# Altium PCB PYCO_PCB_VER01_REVA.PcbDoc (continued)
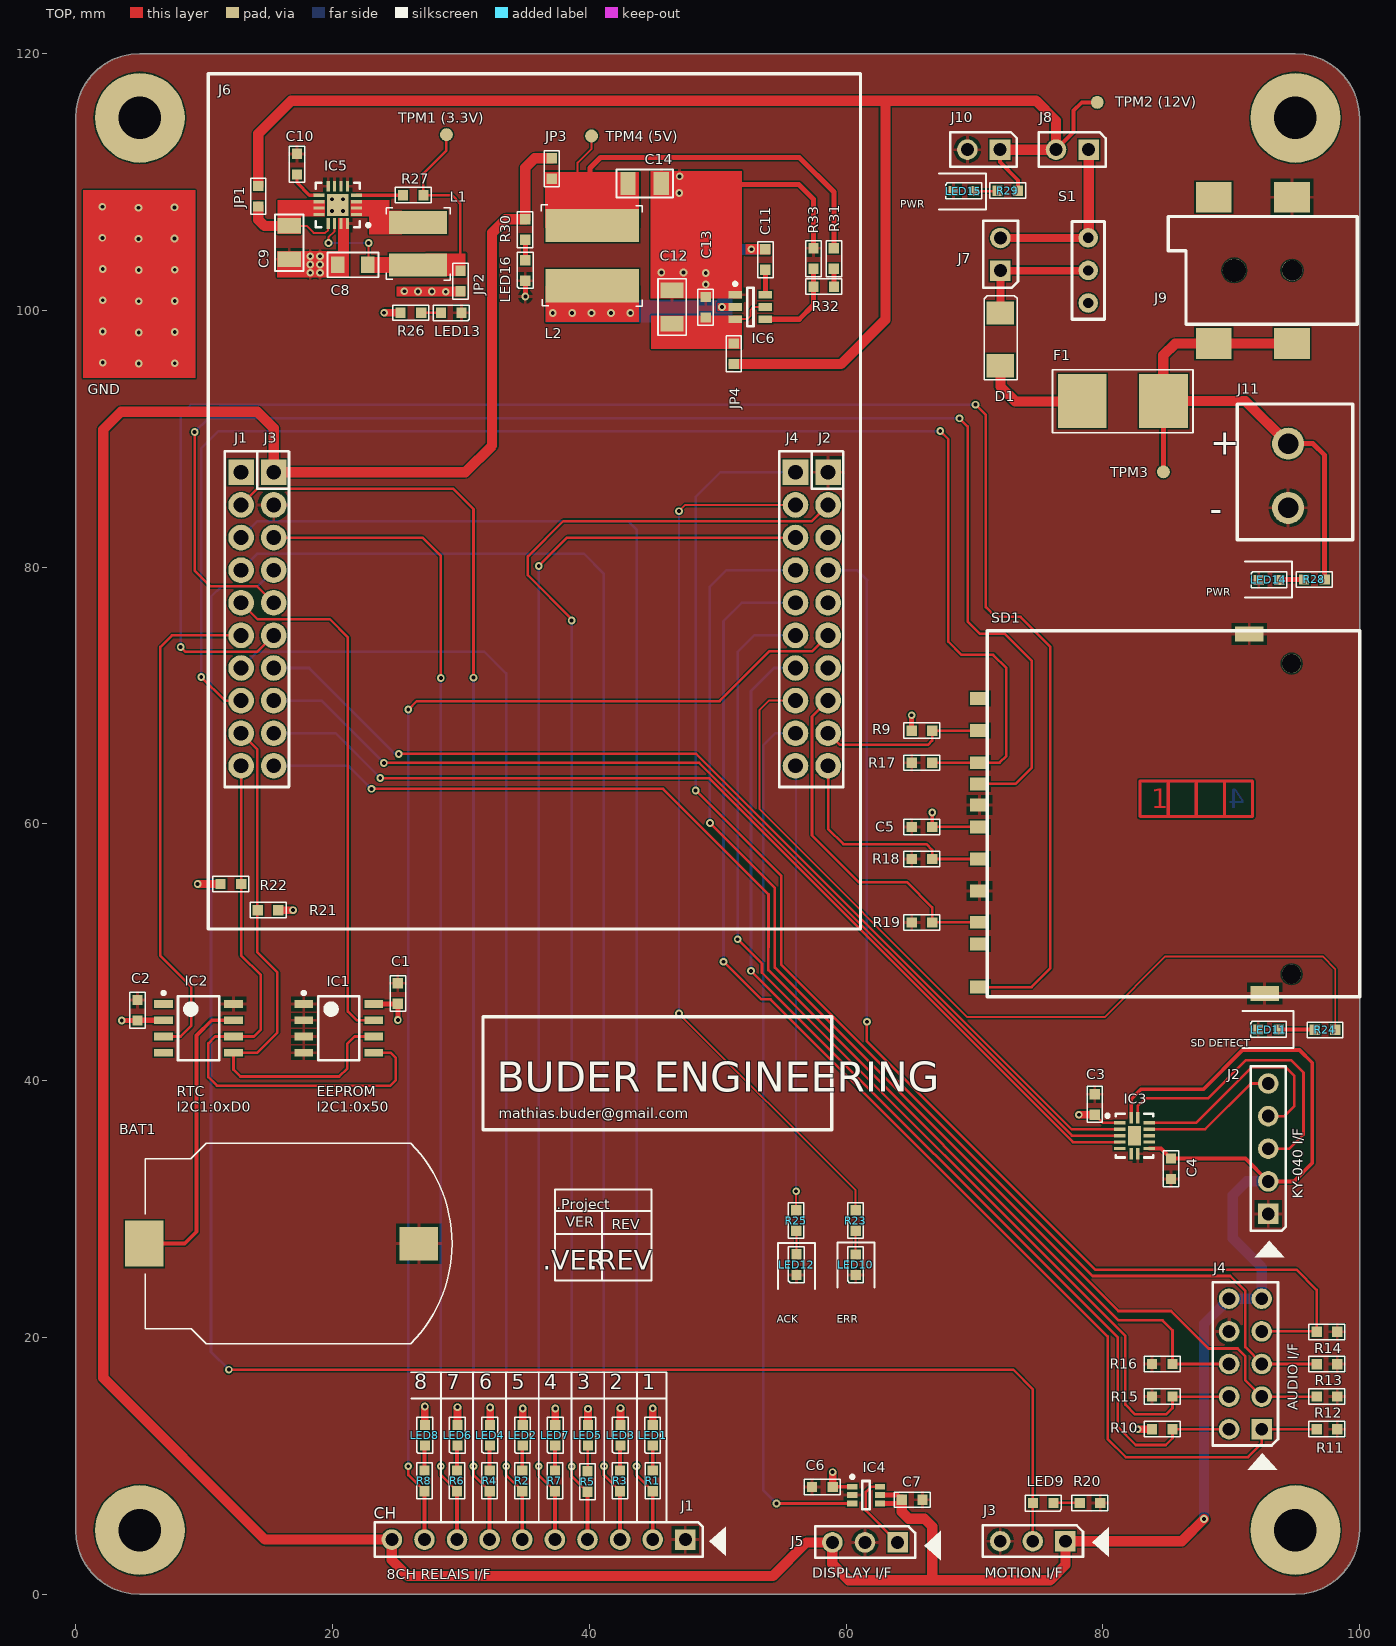
[diagram p0: TOP view]
## Footprints (in the part's own frame and the unit in brackets; to place one, negate y for a bottom-side part, rotate by r counter-clockwise, add the part's x,y. Pads: shape width x height; smd on the part's side, far side on the other; paste and mask are expansions set on the pad)
"2 POS Screw Terminal" [mm]
  round 2.5 hole 1.6: 1(-2.5,0) 2(2.5,0)
  silkscreen extent -4.98,-5.04 5.59,3.96, body extent -4.98,-5.04 5.59,3.96, height 11.4
0154.062DR [mm]
  rect 3.8x4.2 smd: 1(-3.16,0) 2(3.16,0)
  silkscreen extent -5.46,-2.44 5.49,2.46, body extent -4.91,-2.51 4.91,2.51, height 3.81
10067847-001RLF [mm]
  rect 1x1.5 smd: 1(6.875,0) 2(4.375,0) 3(1.075,0) 4(-0.625,0) 5(-3.125,0) 6(-5.625,0) 7(-8.05,0) 8(-9.75,0) 9(9.375,0) 10(2.725,0) 11(-13.1,0)
  rect 1.2x2.2 smd: GND(-13.6,-22.2) GND(14.4,-21)
  round 1.5 hole 1.5: ""(-12.1,-24.3) ""(12.1,-24.3)
  silkscreen extent -13.85,-29.6 14.65,-0.6, body extent -13.84,-29.78 14.61,0.47, height 2.8
ATE1E-2M3-10-Z [mil] "SWITCH TOGGLE SPDT 50MA 48V"
  round 60 hole 31.5: 1(-100,0) 2(0,0) 3(100,0)
  silkscreen extent -150,-50 150,50, body extent -187,-98 187,98, height 656
C0603 [mm]
  rect 0.8x0.8 smd: 1(-0.8,0) 2(0.8,0)
  silkscreen extent -1.4,-0.6 1.4,0.6, body extent -0.8,-0.4 0.8,0.4, height 0.3
C0805 [mm]
  rect 1.05x1.3 smd: 1(-1.175,0) 2(1.175,0)
  silkscreen extent -1.98,-0.97 1.98,0.97, body extent -1,-0.61 1,0.64, height 1.3
C1206 [mm]
  rect 1.2x1.8 smd: 1(-1.3,0) 2(1.3,0)
  silkscreen extent -2.2,-1.1 2.2,1.1, body extent -1.7,-0.84 1.7,0.84, height 1.71
CP-002AHPJCT-ND [mm] "CONN POWER JACK 2.1X5.5MM HI CUR"
  rect 2.8x2.4 smd: 1(0,5.7) 1(6.1,5.7) 2(0,-5.7) 3(6.1,-5.7)
  round 1.6 hole 1.6: ""(0,0)
  round 1.8 hole 1.8: ""(4.5,0)
  silkscreen extent -5.08,-4.19 9.65,4.19, body extent -4.99,-6.25 9.81,6.35, height 11.2
DO-214AC [mm]
  rect 1.8x2.15 smd: 1(-2.05,0) 2(2.05,0)
  silkscreen extent -3.15,-1.3 3.4,1.27, body extent -2.5,-1.35 2.5,1.35, height 2.15
EK-TM4C123GXL [mm] "TI"
  rect 2x2 hole 1.15: 1.01(-22.847,11.431) 2.01(22.873,11.431) 3.01(-20.307,11.431) 4.01(20.333,11.431)
  round 2 hole 1.15: 1.02(-22.847,8.891) 1.03(-22.847,6.351) 1.04(-22.847,3.811) 1.05(-22.847,1.271) 1.06(-22.847,-1.269) 1.07(-22.847,-3.809) 1.08(-22.847,-6.349) 1.09(-22.847,-8.889) 1.10(-22.847,-11.429) 2.02(22.873,8.891) 2.03(22.873,6.351) 2.04(22.873,3.811) 2.05(22.873,1.271) 2.06(22.873,-1.269) 2.07(22.873,-3.809) 2.08(22.873,-6.349) 2.09(22.873,-8.889) 2.10(22.873,-11.429) 3.02(-20.307,8.891) 3.03(-20.307,6.351) 3.04(-20.307,3.811) 3.05(-20.307,1.271) 3.06(-20.307,-1.269) 3.07(-20.307,-3.809) 3.08(-20.307,-6.349) 3.09(-20.307,-8.889) 3.10(-20.307,-11.429) 4.02(20.333,8.891) 4.03(20.333,6.351) 4.04(20.333,3.811) 4.05(20.333,1.271) 4.06(20.333,-1.269) 4.07(20.333,-3.809) 4.08(20.333,-6.349) 4.09(20.333,-8.889) 4.10(20.333,-11.429)
  silkscreen extent -25.4,-24.13 25.4,42.47, body extent -25.96,-24.18 25.44,42.42, height 20.5
"IND-LQH32CN220K53L 2 11" [mm] "FIXED IND 2.2UH 2.6A 47 MOHM SMD"
  rect 1.8x4.5 smd: 1(-1.65,0) 2(1.65,0)
  silkscreen extent -2.79,-2.49 2.84,2.51, body extent -2.2,-2 2.2,2, height 3.25
LED0603-GREEN [mm] "GREEN"
  rect 0.8x0.8 smd: 1(-0.8,0) 2(0.8,0)
  silkscreen extent -1.4,-0.63 1.4,0.6, body extent -0.85,-0.45 0.85,0.45, height 0.9
LED0603-RED [mm] "RED"
  rect 0.8x0.8 smd: 1(-0.8,0) 2(0.8,0)
  silkscreen extent -1.4,-0.64 1.4,0.6, body extent -0.85,-0.45 0.85,0.45, height 0.9
PCBTAG [mm]
  silkscreen extent -5.33,-3.33 2.18,3.78
"Post Height Terminal Strip 1x2" [mm]
  rect 1.6x1.6 hole 1: 1(-1.27,0)
  round 1.6 hole 1: 2(1.27,0)
  silkscreen extent -2.59,-1.37 2.62,1.32, body extent -2.54,-1.27 2.54,1.27, height 9.5
"Post Height Terminal Strip 1x3" [mm]
  rect 1.6x1.6 hole 1: 1(-2.54,0)
  round 1.6 hole 1: 2(0,0) 3(2.54,0)
  silkscreen extent -3.91,-1.24 3.89,1.19, body extent -3.81,-1.27 3.81,1.27, height 9.5
"Post Height Terminal Strip 1x5" [mm]
  rect 1.6x1.6 hole 1: 1(-5.08,0)
  round 1.6 hole 1: 2(-2.54,0) 3(0,0) 4(2.54,0) 5(5.08,0)
  silkscreen extent -6.4,-1.37 6.43,1.35, body extent -6.35,-1.27 6.35,1.27, height 9.5
"Post Height Terminal Strip 1x10" [mm]
  rect 1.6x1.6 hole 1: 1(-11.43,0)
  round 1.6 hole 1: 2(-8.89,0) 3(-6.35,0) 4(-3.81,0) 5(-1.27,0) 6(1.27,0) 7(3.81,0) 8(6.35,0) 9(8.89,0) 10(11.43,0)
  silkscreen extent -12.8,-1.35 12.78,1.35, body extent -12.7,-1.27 12.7,1.27, height 9.5
"Post Height Terminal Strip 2x5" [mm]
  rect 1.6x1.6 hole 1: 1(-5.08,-1.27)
  round 1.6 hole 1: 2(-5.08,1.27) 3(-2.54,-1.27) 4(-2.54,1.27) 5(0,-1.27) 6(0,1.27) 7(2.54,-1.27) 8(2.54,1.27) 9(5.08,-1.27) 10(5.08,1.27)
  silkscreen extent -6.35,-2.54 6.35,2.54, body extent -6.4,-2.54 6.3,2.54, height 9.5
QFN14 [mm]
  rect 0.9x0.25 smd: 1(-1.15,1) 2(-1.15,0.5) 3(-1.15,0) 4(-1.15,-0.5) 5(-1.15,-1) 8(1.15,-1) 9(1.15,-0.5) 10(1.15,0) 11(1.15,0.5) 12(1.15,1)
  rect 0.25x0.9 smd: 6(-0.25,-1.4) 7(0.25,-1.4) 13(0.25,1.4) 14(-0.25,1.4)
  rect 1x1.5 smd: 15(0,0)
  silkscreen extent -2.22,-1.7 1.45,1.7, body extent -1.25,-1.5 1.25,1.5, height 1
QFN16 [mm] "QFN, 16-Leads, Body 3,00x3,00mm, Pitch 0,50mm, Thermal Pad 1,70x1,70mm, IPC Medium Density"
  rect 0.85x0.25 smd: 1(-1.45,0.75) 2(-1.45,0.25) 3(-1.45,-0.25) 4(-1.45,-0.75) 9(1.45,-0.75) 10(1.45,-0.25) 11(1.45,0.25) 12(1.45,0.75)
  rect 0.25x0.85 smd: 5(-0.75,-1.45) 6(-0.25,-1.45) 7(0.25,-1.45) 8(0.75,-1.45) 13(0.75,1.45) 14(0.25,1.45) 15(-0.25,1.45) 16(-0.75,1.45)
  rect 1.7x1.7 smd: 17(0,0)
  silkscreen extent -2.5,-1.73 1.73,1.73, body extent -1.5,-1.5 1.5,1.5, height 0.9
R0603 [mm]
  rect 0.8x0.8 smd: 1(-0.8,0) 2(0.8,0)
  silkscreen extent -1.4,-0.6 1.4,0.6, body extent -0.8,-0.42 0.8,0.43, height 0.45
S8421-45R [mm] "HOLDER BATT COIN CR2032/20MM"
  rect 3.6x3 smd: 1(0,-12.9)
  rect 2.6x3 smd: 2(0,8.5)
  silkscreen extent -7.8,-12.8 7.8,11.08, body extent -7.8,-13.5 7.8,11.15, height 5.4
SOIC-8 [mm] "SOIC, 8-Leads, Body 4,90x3,90mm, Pitch 1,27mm, IPC Medium Density"
  rect 1.45x0.6 smd: 1(-2.725,1.905) 2(-2.725,0.635) 3(-2.725,-0.635) 4(-2.725,-1.905) 5(2.725,-1.905) 6(2.725,-0.635) 7(2.725,0.635) 8(2.725,1.905)
  silkscreen extent -2.85,-2.5 1.6,2.88, body extent -3.1,-2.5 3.1,2.5, height 1.75
SOT23-6 [mm] "SOT23, 6-Leads, Body 2,90x2,75mm, Pitch 0,95mm, IPC Medium Density"
  rect 1.05x0.6 smd: 1(-1.175,0.95) 2(-1.175,0) 3(-1.175,-0.95) 4(1.175,-0.95) 5(1.175,0) 6(1.175,0.95)
  silkscreen extent -1.3,-1.5 0.25,1.92, body extent -1.4,-1.45 1.4,1.45, height 1.45
SOT363 [mm] "SOT23, 6-Leads, Body 2,00x2,10mm, Pitch 0,65mm, IPC Medium Density"
  rect 0.8x0.45 smd: 1(-1.075,0.65) 2(-1.075,0) 3(-1.075,-0.65) 4(1.075,-0.65) 5(1.075,0) 6(1.075,0.65)
  silkscreen extent -1.2,-1.1 0.3,1.55, body extent -0.67,-1.1 0.67,1.1, height 1.1
SRR6038-3R3Y [mm]
  rect 2.6x7.3 smd: 1(-2.35,0) 2(2.35,0)
  silkscreen extent -3.95,-3.89 3.96,3.96, body extent -3.42,-3.37 3.38,3.43, height 4.1
TestPoint-M [mm]
  round 1 smd: 1(0,0)

## Part data
BAT1: "HOLDER BATT COIN CR2032/20MM"
C1 C2 C3 C4 C5 C6 C7 C11 C13: "CAP CER 100NF 16V 5% X7R 0603"
C8: "CAP CER 22UF 6.3V X5R 0805"
C9 C12: "CAP TANT 10UF 16V 10% 1206"
C10: "CAP CER 390PF 50V NP0 0603"
C14: "CAP CER 47UF 10V X6S 1206"
D1: "DIODE SCHOTTKY 60V 3A DO214AC"
F1: "FUSE BRD MNT 62MA 125VAC/VDC SMD"
IC1: "IC EEPROM 512KBIT 400KHZ 8SOIC"
IC2: "IC RTC CLK/CALENDAR I2C 8-SOIC"
IC3: "TXRX TRANSLATING 3STATE 14DHVQFN"
IC4: "TXRX XLATING DUAL 3ST 6TSSOP"
IC5: "IC REG BUCK 3.3V 1A SYNC 16QFN"
IC6: "IC REG BUCK ADJ 3A SYNC 6SOT"
J3 J5: library part "Header 1x3"
J6: "EVAL KIT TM4C123GXL LAUNCHPAD"
J7 J8 J10: library part "Header 1x2"
J9: library part PJ-002AH-SMT-TR
J11: "TERM BLOCK PCB 2POS 5.0MM GREEN"
JP1 JP2 JP3 JP4: "RES SMD 0 OHM JUMPER 1/10W"
L1: "FIXED IND 2.2UH 2.6A 47 MOHM SMD"
L2: "FIXED IND 3.3UH 3.5A 20 MOHM SMD"
LED1 LED2 LED3 LED4 LED5 LED6 LED7 LED8 LED9 LED11 LED12 LED13 LED14 LED15 LED16: "LED GREEN CLEAR 0603 SMD"
LED10: "LED RED CLEAR 0603 SMD"
R1 R2 R3 R4 R5 R6 R7 R8 R20 R23 R24 R25 R26: "RES SMD 330 OHM 1% 1/10W 0603"
R9 R10 R11 R12 R13 R14 R15 R16 R17 R18 R19 R27: "RES SMD 100K OHM 1% 1/10W 0603"
R21 R22: "RES SMD 2.2K OHM 1% 1/10W 0603"
R28 R29: "RES SMD 2.4K OHM 1% 1/10W 0603"
R30: "RES SMD 750 OHM 1% 1/10W 0603"
R31: "RES SMD 56K OHM 1% 1/10W 0603"
R32: "RES SMD 200 OHM 1% 1/10W 0603"
R33: "RES SMD 10K OHM 1% 1/10W 0603"
S1: "SWITCH TOGGLE SPDT 50MA 48V"
SD1: "CONN SD CARD PUSH-PUSH SMD"

## Free pads (board coordinates)
  round 7 hole 3.3: ""(5,5) ""(5,115) ""(95,5) ""(95,115)

## Via types
v1: diameter 0.6, hole 0.3, TOP to BOT, tented both sides, 66 vias
v2: diameter 0.6, hole 0.3, TOP to BOT, 22 vias
v3: diameter 0.6, hole 0.3, TOP to BOT, tented top, 13 vias

## Nets (pads, with @x,y where several pads share a name; then routed paths per layer and width w, separated by ;. In a path a pad name is that pad's centre, name@x,y a point inside that pad or via, vN(x,y) a via of type N, cw(c..) or ccw(c..) an arc to the next point about the centre after c; other vN are vias at no path point)
+3V3: C1.1 C2.2 C3.1 C5.1 C6.1 IC1.8 IC2.2 IC3.1 IC4.1 J6.1.01 JP2.2 LED1.1 LED2.1 LED3.1 LED4.1 LED5.1 LED6.1 LED7.1 LED8.1 R9.2 R10.2 R21.2 R22.2 R26.2 SD1.4 | length 34.5
  TOP w0.2: C5.1 SD1.4 ; C3.1 80.007,36.725 IC3.1
  TOP w0.3: C6.1 58.974,8.379 IC4.1 ; C5.1 v1(66.713,60.896)
  TOP w0.4: v1(3.594,44.691) C2.2 4.853,44.718 IC2.2 ; IC1.8 25.086,45.988 C1.1 v1(25.095,44.729) ; R9.2 v1(65.113,68.466)
  TOP w0.6: v1(9.5,55.321) R22.2 ; R21.2 v1(16.929,53.289) ; v3(24.028,99.822) R26.2 ; LED8.1 v1(27.202,14.629) ; LED6.1 v1(29.742,14.58) ; LED4.1 v1(32.282,14.553) ; LED2.1 v1(34.822,14.476) ; LED7.1 v1(37.362,14.475) ; LED5.1 v1(39.902,14.448) ; LED3.1 v1(42.442,14.505) ; LED1.1 v1(44.947,14.489) ; C6.1 v1(58.957,9.521) ; v1(78.137,37.356) C3.1 ; v1(82.716,12.865) R10.2
  other v3: 28.83,101.453 26.662,101.473 27.746,101.473 25.603,101.498
+5V: C4.2 C7.2 IC3.8 IC3.14 IC4.4 IC4.5 J1.10 J2.2 J3.1 J4.9 J4.10 J5.3 J6.3.01 JP3.2 R30.2 | length 319
  TOP w0.3: IC3.14 82.22,38.583 82.982,39.345 87.843,39.345 90.891,42.393 95.327,42.393 96.317,41.403 96.317,33.604 94.881,32.169 J2.2 91.105,33.947 C4.2 84.532,34.725 IC3.8
  TOP w0.4: IC4.4 64.064,7.079 C7.2 63.988,7.729 IC4.5
  TOP w0.8: JP3.2 35.75,111.849 35.011,111.109 R30.2 33.491,107.1 32.436,106.045 32.436,89.473 30.353,87.39 J6.3.01 15.427,90.822 14.148,92.1 3.531,92.1 2.159,90.729 2.159,16.858 14.75,4.267 J1.10 24.627,2.678 25.883,1.422 54.298,1.422 56.922,4.046 J5.3 58.938,2.377 60.223,1.092 66.726,1.092 ; C7.2 64.351,6.439 64.897,5.893 66.116,5.893 66.726,5.283 66.726,1.092 ; v1(87.884,5.867) 86.156,4.139 J3.1 77.089,2.286 75.895,1.092 66.726,1.092
  BOT w0.8: v1(87.884,5.867) 87.884,21.073 J4.10 J4.9 92.376,25.464 90.119,27.721 90.119,31.082 91.206,32.169 J2.2
+12V: "TPM2 (12V).1" J8.2 J10.1 JP1.2 JP4.2 R29.2 | length 114.3
  TOP w0.3: J10.1 71.993,111.547 73.4,110.141 R29.2 ; J8.2 77.724,113.889 77.724,115.57 78.359,116.205 79.567,116.205
  TOP w0.8: JP1.2 14.224,113.754 16.802,116.332 63.068,116.332 ; JP4.2 59.612,95.822 63.068,99.278 63.068,116.332 ; J10.1 J8.2 76.357,114.778 74.803,116.332 63.068,116.332
GND: BAT1.2 C1.2 C2.1 C3.2 C4.1 C5.2 C6.2 C7.1 C8.2 C9.2 C10.2 C12.2 C13.2 C14.2 IC1.1 IC1.2 IC1.3 IC1.4 IC2.8 IC3.7 IC4.2 IC5.5 IC5.6 IC5.7 IC5.8 IC5.15 IC5.16 IC6.1 J1.1 J2.1 J3.3 J4.8 J5.2 J6.2.01 J6.3.02 J9.2 J10.2 J11.1 LED10.2 LED11.2 LED12.2 LED13.2 LED14.2 LED15.2 LED16.2 R11.1 R12.1 R13.1 R14.1 R15.1 R16.1 R17.1 R18.1 R19.1 R20.1 R33.1 SD1.3 SD1.6 SD1.GND | length 12.5
  TOP w0.4: v1(35.027,101.092) LED16.2 ; 50.47,109.804 56.328,109.804 57.471,108.662 R33.1
  other v1: 49.073,102.032 49.073,102.921 45.618,102.946 47.346,102.946 47.015,109.144 47.041,110.439
  other v2: 4.915,95.86 7.722,95.885 2.108,95.936 4.915,98.288 7.722,98.313 2.108,98.364 4.915,100.716 7.722,100.741 2.108,100.792 4.915,103.144 7.722,103.17 2.108,103.221 4.89,105.573 7.696,105.598 2.083,105.649 4.89,108.001 7.696,108.026 2.083,108.077
  other v3: 18.269,102.933 19.025,102.933 18.269,103.575 19.025,103.575 18.269,104.216 19.025,104.216
NetBAT1_1: BAT1.1 IC2.7 | length 23.1
  TOP w0.3: BAT1.1 8.498,27.319 9.423,28.245 9.423,43.536 10.606,44.718 IC2.7
NetC8_1: "TPM1 (3.3V).1" C8.1 IC5.14 JP2.1 L1.2 R27.2 | length 20
  TOP w0.15: v3(19.694,105.255) 19.694,105.701 20.169,106.176 IC5.14 ; C8.1@22.758,103.558 C8.1 22.82,103.599 v3(22.82,105.255)
  TOP w0.2: 28.88,113.69 28.88,112.469 27.089,110.679 R27.2 29.309,108.976 29.947,108.338 29.947,103.547
  BOT w0.15: v3(19.694,105.255) v3(22.82,105.255)
NetC9_1: C9.1 IC5.10 IC5.11 IC5.12 IC5.13 JP1.1 | length 7.8
  TOP w0.15: C9.1 17.983,106.583 18.534,106.032 19.444,106.032 19.669,106.257 IC5.13
  TOP w0.4: JP1.1 JP1.1@14.247,108.111 ; C9.1 C9.1@16.822,106.768
  TOP w0.8: JP1.1 14.224,107.061 14.702,106.583 C9.1
NetC10_1: C10.1 IC5.9 | length 2.8
  TOP w0.254: C10.1 17.244,109.935 18.211,108.968 IC5.9
NetC11_1: C11.1 IC6.6 | length 1.9
  TOP w0.4: IC6.6 C11.1
NetC11_2: C11.2 IC6.2 L2.1
  other v1: 37.16,99.797 38.672,99.797 40.183,99.797 41.694,99.797 43.205,99.797 50.343,100.267 52.629,104.762
NetC12_1: C12.1 C13.1 IC6.3 IC6.5 JP4.1 | length 3
  TOP w0.15: IC6.3 52.302,99.317 52.546,99.561 52.546,100.017 52.796,100.267 IC6.5
NetC14_1: "TPM4 (5V).1" C14.1 JP3.1 L2.2 R31.2 | length 30
  TOP w0.15: 39.091,110.058 39.091,111.506 40.183,112.598 40.183,113.589
  TOP w0.4: 40.056,109.88 40.056,111.1 40.869,111.912 56.356,111.912 59.055,109.213 R31.2
NetD1_1: D1.1 F1.2 | length 8.5
  TOP w0.8: D1.1 72.027,94.073 73.187,92.913 78.374,92.913 F1.2
NetD1_2: D1.2 J7.1 S1.2 | length 10.2
  TOP w0.6: D1.2 J7.1 78.848,103.099 S1.2
NetF1_1: F1.1 J9.1 J11.2 R28.2 TPM3.1 | length 43.9
  TOP w0.4: TPM3.1 F1.1 ; J11.2 96.382,89.622 97.279,88.725 R28.2
  TOP w0.8: J11.2 91.118,92.939 F1.1 84.719,96.505 85.632,97.417 88.642,97.417 94.742,97.417 J9.1@94.435,97.11
NetIC1_5: IC1.5 IC2.6 J6.1.10 R22.1 | length 47
  TOP w0.2: J6.1.10@12.872,64.516 J6.1.10 12.887,49.775 14.427,48.235 14.427,43.993 13.882,43.448 IC2.6 10.86,43.448 10.334,42.922 10.334,40.288 10.998,39.624 24.511,39.624 24.917,40.03 24.917,41.809 24.548,42.178 IC1.5
NetIC1_6: IC1.6 IC2.5 J6.1.09 R21.1 | length 43.4
  TOP w0.2: J6.1.09@12.872,67.056 J6.1.09 14.157,65.8 14.157,50.007 15.714,48.45 15.714,43.752 14.14,42.178 IC2.5 12.297,40.865 12.827,40.335 20.523,40.335 21.158,40.97 21.158,42.889 21.718,43.448 IC1.6
NetIC1_7: IC1.7 J6.1.05 | length 40.9
  TOP w0.2: J6.1.05 14.171,75.946 19.803,75.946 21.209,74.54 21.209,45.39 21.881,44.718 IC1.7
NetIC2_3: IC2.3 J6.1.06 | length 39.7
  TOP w0.2: IC2.3 8.17,43.448 9.017,44.295 9.017,47.32 6.604,49.733 6.604,73.787 7.507,74.69 J6.1.06
NetIC3_2: IC3.2 J6.3.07 | length 80.8
  TOP w0.2: v1(25.171,65.456) 48.336,65.456 77.567,36.225 IC3.2
  BOT w0.2: J6.3.07 18.183,72.15 24.878,65.456 v1(25.171,65.456)
NetIC3_3: IC3.3 J6.3.08 | length 80
  TOP w0.2: v1@24.055,64.718 24.017,64.756 v1(24.006,64.756) 48.57,64.756 77.602,35.725 IC3.3
  BOT w0.2: J6.3.08 19.152,69.61 v1(24.006,64.756)
NetIC3_4: IC3.4 J6.3.09 | length 79.1
  TOP w0.2: v1(23.724,63.576) 49.326,63.576 77.678,35.225 IC3.4
  BOT w0.2: J6.3.09 20.229,67.07 v1(23.724,63.576)
NetIC3_11: IC3.11 J2.5 | length 10.7
  TOP w0.2: IC3.11 87.964,36.225 91.528,39.789 J2.5
NetIC3_12: IC3.12 J2.4 | length 18.1
  TOP w0.2: IC3.12 87.271,36.725 91.618,41.072 94.225,41.072 94.925,40.372 94.925,38.029 94.145,37.249 J2.4
NetIC3_13: IC3.13 J2.3 | length 23.7
  TOP w0.2: IC3.13 82.72,38.041 83.312,38.633 88.189,38.633 91.161,41.605 94.654,41.605 95.631,40.629 95.631,35.814 94.526,34.709 J2.3
NetIC4_3: IC4.3 J6.4.09 | length 68.3
  TOP w0.2: v1(54.592,7.079) IC4.3
  BOT w0.2: v1(54.592,7.079) 53.564,8.107 53.564,66.137 54.497,67.07 J6.4.09
NetIC4_6: IC4.6 J5.1 | length 6.2
  TOP w0.2: IC4.6 61.948,8.379 61.544,7.976 61.544,6.52 J5.1
NetIC5_1: IC5.1 IC5.2 IC5.3 L1.1
NetIC5_4: IC5.4 R27.1 | length 3.6
  TOP w0.254: IC5.4 25.481,108.968 R27.1
NetIC6_4: IC6.4 R32.1 R33.2 | length 7
  TOP w0.4: IC6.4 56.354,99.317 57.468,100.431 R32.1 57.468,103.235 R33.2
NetJ3_2: J3.2 J6.3.04 LED9.1 | length 141.6
  TOP w0.2: v1(11.932,17.501) 73.025,17.501 74.562,15.964 LED9.1 74.549,7.11 J3.2
  BOT w0.2: v1(11.932,17.501) 10.541,18.892 10.541,77.699 11.354,78.511 14.168,78.511 J6.3.04
NetJ4_1: J4.1 J6.4.05 R11.2 | length 101.1
  TOP w0.2: v1(50.461,49.276) 53.402,46.335 54.121,46.335 80.37,20.086 80.37,12.111 81.787,10.693 91.313,10.693 92.376,11.756 J4.1 R11.2
  BOT w0.2: v1(50.461,49.276) 50.461,75.81 51.881,77.23 J6.4.05
NetJ4_2: J4.2 J6.4.07 R10.1 | length 83.5
  TOP w0.2: v1(52.601,48.562) 81.17,19.993 81.17,13.031 82.567,11.634 84.904,11.634 85.429,12.159 R10.1 J4.2
  BOT w0.2: v1(52.601,48.562) 52.601,70.353 54.398,72.15 J6.4.07
NetJ4_3: J4.3 J6.4.04 R12.2 | length 96.1
  TOP w0.2: v1(49.403,60.071) 54.466,55.008 54.466,48.818 81.212,22.073 85.319,22.073 88.24,19.152 90.5,19.152 91.11,18.542 91.11,16.671 J4.3 96.647,15.405 R12.2
  BOT w0.2: v1(49.403,60.071) 49.403,78.486 50.687,79.77 J6.4.04
NetJ4_4: J4.4 J6.4.06 R15.2 | length 85.7
  TOP w0.2: v1(51.562,51.027) 53.455,49.134 53.455,48.415 81.763,20.108 81.763,14.772 82.514,14.021 84.938,14.021 85.429,14.512 R15.2 J4.4
  BOT w0.2: v1(51.562,51.027) 51.562,73.4 52.853,74.69 J6.4.06
NetJ4_5: J4.5 J6.4.01 R13.2 | length 104.9
  TOP w0.2: v1(48.291,62.611) 48.311,62.611 54.966,55.956 54.966,49.025 79.198,24.794 89.928,24.794 91.106,23.615 91.106,19.253 92.376,17.983 J4.5 96.648,17.945 R13.2
  BOT w0.2: v1(48.291,62.611) 48.291,85.477 50.205,87.39 J6.4.01
NetJ4_6: J4.6 J6.3.10 R16.2 | length 98.7
  TOP w0.2: v1(23.038,62.738) 45.746,62.738 53.966,54.518 53.966,50.381 53.955,50.37 53.955,48.622 81.241,21.336 84.658,21.336 85.429,20.565 R16.2 J4.6
  BOT w0.2: J6.3.10 21.245,64.53 v1(23.038,62.738)
NetJ4_7: J4.7 J6.2.04 R14.2 | length 89.9
  TOP w0.2: v1(61.629,44.602) 61.629,43.069 79.405,25.294 95.077,25.294 96.66,23.711 R14.2 96.622,20.485 J4.7
  BOT w0.2: J6.2.04 60.869,79.77 61.646,78.994 61.629,78.978 v1(61.629,44.602)
NetJ6_1.08: J6.1.08 R17.2 SD1.2 | length 114.7
  TOP w0.2: v1(9.779,71.45) 11.619,69.61 J6.1.08 ; R17.2 SD1.2 71.96,64.772 72.492,65.303 72.492,72.151 71.465,73.177 68.986,73.177 67.97,74.193 67.97,89.967 v1(67.335,90.602)
  BOT w0.2: v1(9.779,71.45) 9.779,89.256 11.125,90.602 v1(67.335,90.602)
NetJ6_2.08: J6.2.08 R19.2 SD1.7 | length 27.6
  TOP w0.2: J6.2.08 57.353,68.356 57.353,59.106 60.985,55.474 64.745,55.474 66.713,53.505 R19.2 66.736,52.347 SD1.7
NetJ6_2.09: J6.2.09 R9.1 SD1.1 | length 13.1
  TOP w0.2: J6.2.09 59.516,66.161 66.375,66.161 66.713,66.499 R9.1 SD1.1
NetJ6_2.10: J6.2.10 R18.2 SD1.5 | length 18.1
  TOP w0.2: J6.2.10 58.607,59.614 59.788,58.433 66.255,58.433 66.713,57.976 R18.2 66.718,57.272 SD1.5
NetJ6_3.05: J6.3.05 SD1.10 | length 113.2
  TOP w0.2: v1(9.271,90.526) 9.271,79.731 10.49,78.511 14.146,78.511 J6.3.05 ; v1(68.834,91.592) 69.469,90.957 69.469,75.768 70.409,74.828 72.339,74.828 74.473,72.695 74.473,64.399 73.196,63.122 SD1.10
  BOT w0.2: v1(9.271,90.526) 10.338,91.592 v1(68.834,91.592)
NetJ6_3.06: J6.3.06 SD1.11 | length 141.8
  TOP w0.2: v1(8.179,73.779) 8.556,73.402 14.138,73.402 J6.3.06 ; v1(70.079,92.659) 70.891,91.846 70.891,76.886 71.644,76.133 73.59,76.133 75.921,73.802 75.921,48.768 74.45,47.297 SD1.11
  BOT w0.15: 8.179,91.876 8.962,92.659 11.252,92.659
  BOT w0.2: v1(8.179,73.779) 8.179,91.876 ; 11.252,92.659 v1(70.079,92.659)
NetJ6_4.02: J6.4.02 R23.1 | length 69.4
  TOP w0.15: v1(46.99,45.237) 60.753,31.474 R23.1 ; v1(46.99,84.368) 47.473,84.85 J6.4.02
  BOT w0.15: v1(46.99,45.237) v1(46.99,84.368)
NetJ6_4.08: J6.4.08 R24.1 | length 69.5
  TOP w0.15: J6.4.08 53.985,69.61 53.264,68.89 53.264,61.146 69.452,44.958 80.137,44.958 84.861,49.682 97.13,49.682 98.107,48.705 R24.1
NetJ6_4.10: J6.4.10 R25.1 | length 34.6
  TOP w0.15: R25.1 v1(56.117,31.394)
  BOT w0.15: J6.4.10 56.117,64.48 v1(56.117,31.394)
NetJ7_2: J7.2 J8.1 S1.1 | length 13.7
  TOP w0.6: J7.2 78.848,105.639 S1.1
  TOP w0.8: S1.1 78.897,105.687 J8.1
NetLED1_2: LED1.2 R1.2 | length 2
  TOP w0.3: R1.2 LED1.2
NetLED2_2: LED2.2 R2.2 | length 1.9
  TOP w0.3: R2.2 LED2.2@34.787,11.56
NetLED3_2: LED3.2 R3.2 | length 1.9
  TOP w0.3: R3.2 LED3.2@42.407,11.56
NetLED4_2: LED4.2 R4.2 | length 1.9
  TOP w0.3: R4.2 LED4.2@32.247,11.56
NetLED5_2: LED5.2 R5.2 | length 2
  TOP w0.2: R5.2 39.902,9.623 LED5.2
NetLED6_2: LED6.2 R6.2 | length 1.9
  TOP w0.3: R6.2 LED6.2@29.707,11.56
NetLED7_2: LED7.2 R7.2 | length 1.9
  TOP w0.3: R7.2 LED7.2@37.327,11.56
NetLED8_2: LED8.2 R8.2 | length 1.9
  TOP w0.3: R8.2 LED8.2@27.167,11.56
NetLED9_2: LED9.2 R20.2 | length 2
  TOP w0.2: LED9.2 R20.2
NetLED10_1: LED10.1 R23.2 | length 1.8
  TOP w0.15: LED10.1 R23.2
NetLED11_1: LED11.1 R24.2 | length 2.8
  TOP w0.3: LED11.1 96.482,43.993 R24.2
NetLED12_1: LED12.1 R25.2 | length 1.9
  TOP w0.15: LED12.1 R25.2@56.152,28.283
  TOP w0.2: R25.2 R25.2@56.152,28.283
NetLED13_1: LED13.1 R26.1 | length 1.6
  TOP w0.2: R26.1 LED13.1 LED13.1
NetLED14_1: LED14.1 R28.1 | length 1.9
  TOP w0.4: LED14.1 93.78,79.046 R28.1
NetLED15_1: LED15.1 R29.1 | length 1.8
  TOP w0.2: LED15.1 71.765,109.295 R29.1
NetLED16_1: LED16.1 R30.1 | length 1.6
  TOP w0.4: R30.1 35.027,105.484 LED16.1
NetR31_1: R31.1 R32.2 | length 1.4
  TOP w0.4: R31.1 59.055,101.867 R32.2
RELAIS_BUS0: J1.2 J6.1.03 R1.1 | length 110.8
  TOP w0.2: v1(43.688,9.982) 43.688,9.297 R1.1
  TOP w0.3: J1.2 R1.1
  BOT w0.2: J6.1.03 14.142,83.566 43.053,83.566 43.688,82.931 v1(43.688,9.982)
RELAIS_BUS1: J1.3 J6.1.04 R3.1 | length 105.2
  TOP w0.2: v1(41.148,9.982) 41.148,9.297 R3.1
  TOP w0.3: J1.3 R3.1
  BOT w0.2: J6.1.04 14.168,81.051 39.573,81.051 41.148,79.477 v1(41.148,9.982)
RELAIS_BUS2: J1.4 J6.2.02 R5.1 | length 103.5
  TOP w0.2: v1(38.633,9.957) 38.633,9.222 R5.1 ; v1(38.633,75.844) 38.633,75.971 35.23,79.375 35.23,80.842 37.979,83.591 57.348,83.591 J6.2.02
  TOP w0.3: J1.4 R5.1
  BOT w0.2: v1(38.633,9.957) v1(38.633,75.844)
RELAIS_BUS3: J1.5 J6.4.03 R7.1 | length 97.3
  TOP w0.2: v1(36.068,9.982) 36.068,9.297 R7.1 ; v1(36.068,80.097) 38.282,82.31 J6.4.03
  TOP w0.3: J1.5 R7.1
  BOT w0.2: v1(36.068,9.982) v1(36.068,80.097)
RELAIS_BUS4: J1.6 J6.1.07 R2.1 | length 89.9
  TOP w0.2: v1(33.528,9.982) 33.528,9.297 R2.1
  TOP w0.3: J1.6 R2.1
  BOT w0.2: J6.1.07 14.168,73.431 31.826,73.431 33.528,71.73 v1(33.528,9.982)
RELAIS_BUS5: J1.7 J6.1.02 R4.1 | length 100.1
  TOP w0.2: J6.1.02 14.157,86.12 29.399,86.12 30.988,84.531 v1(30.988,71.399) ; v1(30.988,9.982) 30.988,9.297 R4.1
  TOP w0.3: J1.7 R4.1
  BOT w0.2: v1(30.988,9.982) v1(30.988,71.399)
RELAIS_BUS6: J1.8 J6.3.03 R6.1 | length 90.7
  TOP w0.2: J6.3.03 27.011,82.31 28.448,80.874 v1(28.448,71.374) ; v1(28.448,9.982) 28.448,9.297 R6.1
  TOP w0.3: J1.8 R6.1
  BOT w0.2: v1(28.448,9.982) v1(28.448,71.374)
RELAIS_BUS7: J1.9 J6.2.06 R8.1 | length 100.3
  TOP w0.2: v1(25.908,9.982) 25.908,9.297 R8.1 ; v1(25.908,68.91) 26.568,69.571 50.165,69.571 54.051,73.457 57.373,73.457 J6.2.06
  TOP w0.3: J1.9 R8.1
  BOT w0.2: v1(25.908,9.982) v1(25.908,68.91)
pads on no net: IC2.1 IC2.4 IC3.5 IC3.6 IC3.9 IC3.10 IC3.15 IC5.17 J6.2.03 J6.2.05 J6.2.07 J9. J9.3 S1.3 SD1. SD1.8 SD1.9
copper on no net: | length 62.8
  TOP w0.2: 58.607,77.23 58.621,77.216
  TOP w0.254: 85.096,60.579 85.096,63.348 ; 87.287,60.579 87.287,63.348 ; 89.478,60.579 89.478,63.348 ; 82.906,60.579 84.887,60.579 87.046,60.579 89.383,60.579 91.669,60.579 91.669,63.348 89.383,63.348 87.046,63.348 84.887,63.348 82.906,63.348 82.906,60.579
  BOT w0.254: 85.096,60.579 85.096,63.348 ; 87.287,60.579 87.287,63.348 ; 89.478,60.579 89.478,63.348 ; 82.906,60.579 82.906,63.348 84.887,63.348 87.046,63.348 89.383,63.348 91.669,63.348 91.669,60.579 89.383,60.579 87.046,60.579 84.887,60.579 82.906,60.579
  other v2: 19.964,107.747 20.828,107.747 19.964,108.661 20.828,108.661

## Polygon pours and split planes (outlines as drawn)
GND on TOP "TOP-GND" (solid, remove dead copper, pour order 0): 100,5 100,115 99.949,115.712 99.797,116.409 99.548,117.077 99.206,117.703 98.779,118.274 98.274,118.779 97.703,119.206 97.077,119.548 96.409,119.797 95.712,119.949 95,120 5,120 4.288,119.949 3.591,119.797 2.923,119.548 2.297,119.206 1.726,118.779 1.221,118.274 0.794,117.703 0.452,117.077 0.202,116.409 0.051,115.712 0,115 0,5 0.051,4.288 0.202,3.591 0.452,2.923 0.794,2.297 1.221,1.726 1.726,1.221 2.297,0.794 2.923,0.452 3.591,0.203 4.288,0.051 5,0 95,0 95.712,0.051 96.409,0.203 97.077,0.452 97.703,0.794 98.274,1.221 98.779,1.726 99.206,2.297 99.548,2.923 99.797,3.591 99.949,4.288
GND on BOT "BOT-GND" (solid, remove dead copper, pour order 1): 100,5 100,115 99.949,115.712 99.797,116.409 99.548,117.077 99.206,117.703 98.779,118.274 98.274,118.779 97.703,119.206 97.077,119.548 96.409,119.797 95.712,119.949 95,120 5,120 4.288,119.949 3.591,119.797 2.923,119.548 2.297,119.206 1.726,118.779 1.221,118.274 0.794,117.703 0.452,117.077 0.202,116.409 0.051,115.712 0,115 0,5 0.051,4.288 0.202,3.591 0.452,2.923 0.794,2.297 1.221,1.726 1.726,1.221 2.297,0.794 2.923,0.452 3.591,0.203 4.288,0.051 5,0 95,0 95.712,0.051 96.409,0.203 97.077,0.452 97.703,0.794 98.274,1.221 98.779,1.726 99.206,2.297 99.548,2.923 99.797,3.591 99.949,4.288
GND on Ground Plane (split plane): 89.348,60.708 87.417,60.708 87.417,63.218 89.348,63.218
GND on Ground Plane (split plane): 87.158,60.708 85.226,60.708 85.226,63.218 87.158,63.218
GND on Ground Plane (split plane): 91.539,60.708 89.607,60.708 89.607,63.218 91.539,63.218
GND on Ground Plane (split plane): 84.967,60.708 83.035,60.708 83.035,63.218 84.967,63.218
GND on Ground Plane (split plane): 95.639,119.443 96.264,119.306 96.864,119.083 97.426,118.776 97.939,118.392 98.392,117.939 98.776,117.427 99.083,116.864 99.306,116.264 99.442,115.639 99.489,114.982 99.489,5.018 99.442,4.361 99.306,3.736 99.083,3.136 98.776,2.573 98.392,2.061 97.939,1.608 97.426,1.224 96.864,0.917 96.264,0.694 95.639,0.557 94.982,0.51 5.018,0.51 4.361,0.557 3.735,0.694 3.135,0.917 2.573,1.224 2.061,1.608 1.608,2.061 1.224,2.573 0.917,3.136 0.694,3.735 0.557,4.361 0.51,5.018 0.51,114.982 0.557,115.639 0.694,116.264 0.917,116.864 1.224,117.427 1.608,117.939 2.061,118.392 2.573,118.776 3.135,119.083 3.735,119.306 4.361,119.443 5.018,119.49 94.982,119.49
+3V3 on Power Plane (split plane): 89.348,60.708 87.417,60.708 87.417,63.218 89.348,63.218
+3V3 on Power Plane (split plane): 87.158,60.708 85.226,60.708 85.226,63.218 87.158,63.218
+3V3 on Power Plane (split plane): 91.539,60.708 89.607,60.708 89.607,63.218 91.539,63.218
+3V3 on Power Plane (split plane): 84.967,60.708 83.035,60.708 83.035,63.218 84.967,63.218
+3V3 on Power Plane (split plane): 95.639,119.443 96.264,119.306 96.864,119.083 97.426,118.776 97.939,118.392 98.392,117.939 98.776,117.427 99.083,116.864 99.306,116.264 99.442,115.639 99.489,114.982 99.489,5.018 99.442,4.361 99.306,3.736 99.083,3.136 98.776,2.573 98.392,2.061 97.939,1.608 97.426,1.224 96.864,0.917 96.264,0.694 95.639,0.557 94.982,0.51 5.018,0.51 4.361,0.557 3.735,0.694 3.135,0.917 2.573,1.224 2.061,1.608 1.608,2.061 1.224,2.573 0.917,3.136 0.694,3.735 0.557,4.361 0.51,5.018 0.51,114.982 0.557,115.639 0.694,116.264 0.917,116.864 1.224,117.427 1.608,117.939 2.061,118.392 2.573,118.776 3.135,119.083 3.735,119.306 4.361,119.443 5.018,119.49 94.982,119.49

## Other copper
TOP:
  rectangle net +3V3: 24.994,101.09 30.38,101.879
  rectangle net NetC8_1: 27.254,102.662 30.378,104.445
  rectangle net GND: 20.419,104.51 21.296,107.188
  rectangle net GND: 15.689,102.582 21.296,104.614
  rectangle net NetC8_1: 22.269,102.932 25.535,104.167
  rectangle net GND: 44.78,100.914 51.892,110.871
  rectangle net NetC12_1: 44.831,97.003 51.892,99.619
  rectangle net NetC11_2: 52.172,104.343 54.127,105.156
  rectangle net NetC11_2: 49.987,99.962 51.892,100.577
  rectangle net NetC11_2: 36.601,99.085 43.891,101.917
  rectangle net NetC14_1: 36.576,106.426 43.891,110.795
  rectangle net GND: 0.584,94.729 9.322,109.372
  region net NetC9_1: 19.404,108.592 19.404,107.34 17.547,107.34 17.547,105.969 15.739,105.969 15.739,108.585
  region net NetIC5_1: 21.438,108.592 24.435,108.592 24.435,107.747 25.4,107.747 25.4,105.945 22.86,105.945 22.86,107.34 21.438,107.34
  text "1" at 83.769,61.239 h1.52
BOT:
  rectangle net GND: 0.584,94.729 9.322,109.372
  region net NetC11_2: 53.046,105.156 50.013,105.156 50.013,100.787 36.601,100.787 36.601,99.06 51.13,99.06 51.13,104.343 53.046,104.343
  text "4" at 91.084,61.214 h1.52
Ground Plane (plane layer: these items are gaps in the copper):
  lines w0.254: 85.096,60.579 85.096,63.348 ; 87.287,60.579 87.287,63.348 ; 89.478,60.579 89.478,63.348 ; 82.906,60.579 84.887,60.579 87.046,60.579 89.383,60.579 91.669,60.579 91.669,63.348 89.383,63.348 87.046,63.348 84.887,63.348 82.906,63.348 82.906,60.579
  text "2" at 85.658,61.189 h1.52
Power Plane (plane layer: these items are gaps in the copper):
  lines w0.254: 85.096,60.579 85.096,63.348 ; 87.287,60.579 87.287,63.348 ; 89.478,60.579 89.478,63.348 ; 82.906,60.579 82.906,63.348 84.887,63.348 87.046,63.348 89.383,63.348 91.669,63.348 91.669,60.579 89.383,60.579 87.046,60.579 84.887,60.579 82.906,60.579
  text "3" at 87.884,61.189 h1.52

## Silkscreen, mask and mechanical layers (free items; w line width, h text height)
Top Overlay:
  region: 91.839,26.264 94.131,26.264 92.968,27.55
  region: 91.296,9.7 93.587,9.7 92.425,10.986
  region: 80.455,2.938 80.455,5.229 79.169,4.067
  region: 67.369,2.658 67.369,4.95 66.083,3.788
  region: 50.63,2.988 50.63,5.28 49.344,4.118
  lines w0.15: 26.111,17.297 46.025,17.297 46.025,5.69 ; 26.137,15.24 46.025,15.24 ; 28.448,5.639 28.448,17.297 ; 30.944,5.613 30.944,17.272 ; 33.528,5.639 33.528,17.297 ; 36.068,5.588 36.068,17.247 ; 38.633,5.639 38.633,17.297 ; 41.173,5.613 41.173,17.272 ; 43.713,5.613 43.713,17.272 ; 54.712,23.8 54.712,27.381 57.59,27.381 57.59,23.8 ; 59.334,23.901 59.334,27.407 62.205,27.407 62.205,23.901 ; 67.259,107.874 70.917,107.874 70.917,110.668 67.259,110.668 ; 90.891,42.545 94.869,42.545 94.869,45.441 90.891,45.441 ; 91.084,77.648 94.742,77.648 94.742,80.442 91.084,80.442
  lines w0.254: 31.725,36.195 31.725,44.979 58.894,44.979 58.894,36.195 31.725,36.195
  text "PWR" at 64.237,107.798 h1
  text "GND" at 0.957,93.472 h0.8
  text "+" at 88.367,88.773 h2
  text "-" at 88.341,83.566 h2
  text "PWR" at 88.062,77.572 h1
  text "SD DETECT" at 86.842,42.469 h1
  text "BUDER ENGINEERING" at 32.791,38.355 h4
  text "RTC / I2C1:0xD0" at 7.874,37.592 h0.8
  text "EEPROM / I2C1:0x50" at 18.796,37.592 h0.8
  text "mathias.buder@gmail.com" at 32.941,37.085 h0.8
  text "KY-040 I/F" at 95.58,30.81 h0.8 r90
  text "ACK" at 54.625,20.942 h1
  text "ERR" at 59.26,20.942 h1
  text "8" at 26.381,15.57 h2
  text "7" at 28.915,15.57 h2
  text "6" at 31.449,15.57 h2
  text "5" at 33.983,15.57 h2
  text "4" at 36.517,15.57 h2
  text "3" at 39.052,15.57 h2
  text "2" at 41.586,15.57 h2
  text "1" at 44.12,15.57 h2
  text "AUDIO I/F" at 95.174,14.326 h0.8 r90
  text "CH" at 23.216,5.579 h1.5
  text "DISPLAY I/F" at 57.353,1.295 h0.8
  text "MOTION I/F" at 70.815,1.295 h0.8
  text "8CH RELAIS I/F" at 24.223,1.168 h0.8
Mechanical 1:
  the board outline again, w0.1

## Text inside footprints (layer, text, board x,y; h text height)
J6: Top Overlay "J2" at 57.832,89.676 h0.8; Top Overlay "J4" at 55.292,89.676 h0.8; Top Overlay "J1" at 12.366,89.676 h0.8; Top Overlay "J3" at 14.652,89.676 h0.8
?: Top Overlay "REV" at 41.747,28.448 h0.8; Top Overlay "VER" at 38.166,28.626 h0.8